# Altium PCB SwarmBotv1.PcbDoc (part 1 of 2) (continued)
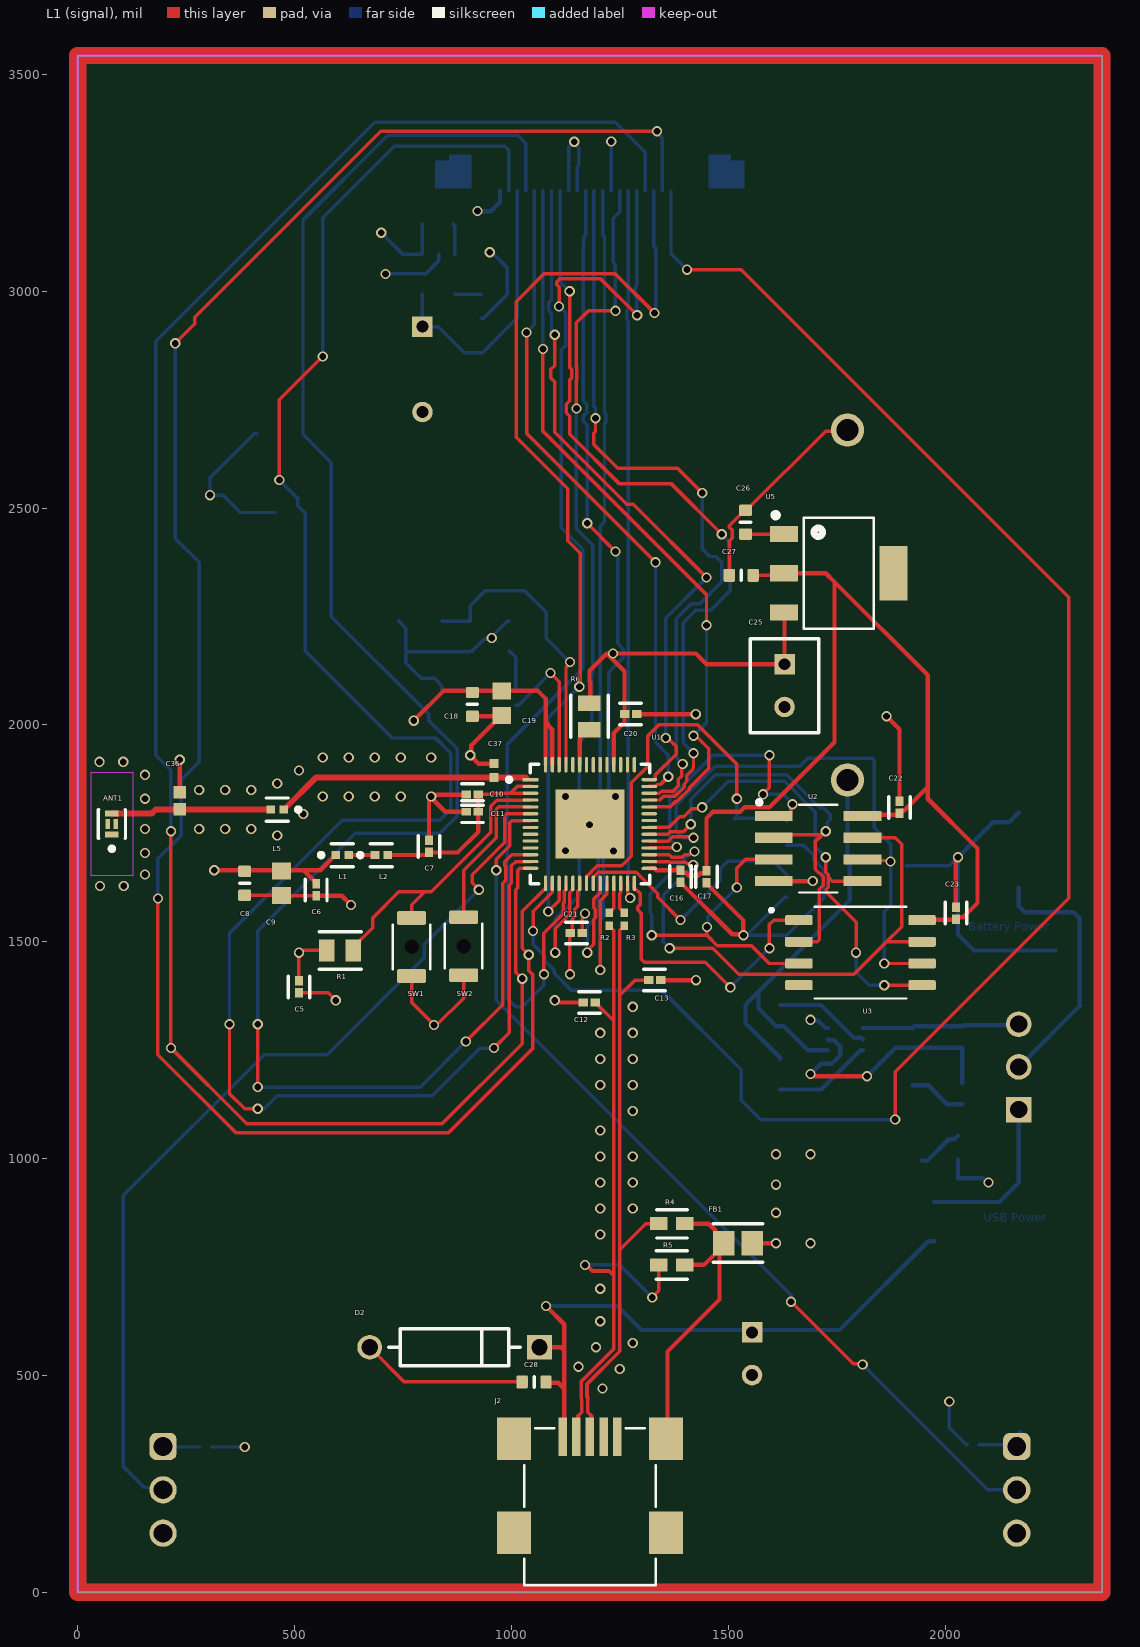
[diagram p0: L1 (signal) view]
## Footprints (in the part's own frame and the unit in brackets; to place one, negate y for a bottom-side part, rotate by r counter-clockwise, add the part's x,y. Pads: shape width x height; smd on the part's side, far side on the other; paste and mask are expansions set on the pad)
61300311121 [mm] "Pin Header, pitch 2.54 mm, THT, Vertical, single row, 3p"
  rrect50% 1.6x1.6 hole 1.1: 1(-2.54,0)
  round 1.6 hole 1.1: 2(0,0) 3(2.54,0)
  silkscreen extent -4.53,-1.35 3.96,1.35, body extent -3.81,-1.27 3.81,1.27, height 8.57
651305142821 [mm] "Mini USB 2.0 Type AB SMT Horizontal 5 Contacts"
  rect 0.5x2.25 smd: 1(-1.6,4.113) 2(-0.8,4.113) 3(0,4.113) 4(0.8,4.113) 5(1.6,4.113)
  rect 2x2.5 smd: Shell(-4.45,-1.512) Shell(-4.45,3.988) Shell(4.45,-1.512) Shell(4.45,3.988)
  silkscreen extent -3.85,-4.6 3.85,4.6, body extent -4.95,-4.6 4.95,4.8, height 4.1
AMPHENOL_F32R-1A7H1-11024 [mm]
  rect 0.3x1.1 smd: 1(-5.75,2.9) 2(-5.25,2.9) 3(-4.75,2.9) 4(-4.25,2.9) 5(-3.75,2.9) 6(-3.25,2.9) 7(-2.75,2.9) 8(-2.25,2.9) 9(-1.75,2.9) 10(-1.25,2.9) 11(-0.75,2.9) 12(-0.25,2.9) 13(0.25,2.9) 14(0.75,2.9) 15(1.25,2.9) 16(1.75,2.9) 17(2.25,2.9) 18(2.75,2.9) 19(3.25,2.9) 20(3.75,2.9) 21(4.25,2.9) 22(4.75,2.9) 23(5.25,2.9) 24(5.75,2.9)
  rect 0.5x0.5 smd paste-1 mask+0: S1(-8,1.95) S2(8,1.95)
  L1 (signal) region: -6.95,0.8 -8.25,0.8 -8.25,1.15 -9.05,1.15 -9.05,2.75 -6.95,2.75
  L1 (signal) region: 9.05,1.15 8.25,1.15 8.25,0.8 6.95,0.8 6.95,2.75 9.05,2.75
  silkscreen extent -9.65,-2.25 9.65,4.3, body extent -9.65,-2.25 9.65,3.25, height 2.1
BAT_122-3124-GR [mm]
  round 1.95 hole 1.3 mask+0.05: N(-5,0) P(15.5,0)
  silkscreen extent -15,-13.25 18.25,13.25
CAPC0402(1005)60_L [mm] "Chip Capacitor, Body 1.0x0.5mm, Height 0.6mm, IPC High Density"
  rect 0.52x0.52 smd: 1(-0.4,0) 2(0.4,0)
  body extent -0.55,-0.3 0.55,0.3, height 0.6
CAPC0402(1005)60_M [mm] "Chip Capacitor, Body 1.0x0.5mm, Height 0.6mm, IPC Low Density"
  rect 0.72x0.72 smd: 1(-0.5,0) 2(0.5,0)
  body extent -0.55,-0.3 0.55,0.3, height 0.6
CAPC0603(1608)100_L#1 [mm] "Chip Capacitor, Body 1.6x0.8mm, Height 1.0mm, IPC High Density"
  rrect25% 0.66x0.76 smd: 1(-0.7,0) 2(0.7,0)
  silkscreen extent 0,-0.3 0,0.3, body extent -0.8,-0.4 0.8,0.4, height 0.95
CAPC0603(1608)100_L#2 [mm] "Chip Capacitor, Body 1.6x0.8mm, Height 1.0mm, IPC High Density"
  rrect25% 0.66x0.76 smd: 2(0.7,0) S(-0.7,0)
  silkscreen extent 0,-0.3 0,0.3, body extent -0.8,-0.4 0.8,0.4, height 0.95
CAPC1608X90X35ML15T15 [mm] "Chip Capacitor, 2-Leads, Body 1.75x0.95mm, IPC Low Density"
  rect 1x1.1 smd: 1(-0.725,0) 2(0.725,0)
  body extent -0.87,-0.48 0.87,0.48, height 0.9
CAPC2013X140X50LL20T25 [mm] "Chip Capacitor, 2-Leads, Body 2.00x1.25mm, IPC High Density"
  rect 1.1x1.35 smd: 1(-0.7,0) 2(0.7,0)
  body extent -1.1,-0.72 1.1,0.72, height 1.4
DCK0006A_L [mm] "SOT23, 6-Leads, Body 2.15x1.4mm, Pitch 0.65mm, IPC High Density"
  rrect25% 0.65x0.4 smd: 1(-1.025,0.65) 2(-1.025,0) 3(-1.025,-0.65) 4(1.025,-0.65) 5(1.025,0) 6(1.025,0.65)
  silkscreen extent -1.15,-1.1 0.3,1.52, body extent -1.14,-1 1.14,1, height 0.94
ESWI-EG1218_V [mm] "THD, 3-Leads, Body 11.6x4mm, Pitch 2.5mm"
  rect 1.5x1.5 hole 1: 1(-2.5,0)
  round 1.5 hole 1: 2(0,0) 3(2.5,0)
  silkscreen extent -5.8,-2 5.8,2.78, body extent -5.8,-2 5.8,2, height 7.4
FP-ABM8-MFG [mm]
  rect 1.3x1.05 smd paste+0 mask+0: 1(-1.15,-0.875) 2(1.15,-0.875) 3(1.15,0.875) 4(-1.15,0.875)
  silkscreen extent -2.5,-1.88 1.7,1.88, body extent -1.6,-1.25 1.6,1.25, height 0.8
FP-ABS07-MFG [mm]
  rect 1.1x1.9 smd paste+0 mask+0: 1(-1.25,0) 2(1.25,0)
  silkscreen extent -0.33,-0.8 0.33,0.8, body extent -1.6,-0.75 1.6,0.75, height 0.9
FP-AC0603-IPC_A [mil]
  rect 41.68x39.85 smd paste+0 mask+0: 1(-34.52,0) 2(34.52,0)
  silkscreen extent -55,-36 55,36, body extent -31,-16 31,16, height 22
FP-ANT016008LCS2442MA2-0 [mm]
  rect 0.35x0.8 smd paste+0 mask+0: 1(-0.625,0) 4(0.625,0)
  rect 0.6x0.26 smd paste+0 mask+0: 2-3(0,-0.235) 5-6(0,0.235)
  silkscreen extent -1.57,-0.8 0.85,0.8, body extent -0.95,-0.55 0.95,0.55, height 0.25
FP-BLM21-0_2-t0_85-e0_5-IPC_B [mil]
  rect 49.41x57.33 smd paste+0 mask+0: 1(-32.51,0) 2(32.51,0)
  silkscreen extent -57,-44 57,44, body extent -67,-39 67,39, height 10
FP-BODY-A-MFG [mm]
  rect 1.45x1.45 hole 0.95 paste-2539.97 mask+0: 1(-4.975,0)
  round 1.45 hole 0.95 paste-2539.97 mask+0: 2(4.975,0)
  silkscreen extent -3.85,-1.08 3.85,1.08, body extent -5.8,-1.18 5.8,1.18, height 0.25
FP-CG0603-MFG [mm]
  rect 1.02x0.76 smd paste+0 mask+0: 1(-0.76,0) 2(0.76,0)
  silkscreen extent -0.9,-0.84 0.9,0.82, body extent -1.37,-0.6 1.37,0.6, height 0.25
FP-CGA6P-IPC_B [mm]
  rect 0.953x2.804 smd paste+0 mask+0: 1(-1.675,0) 2(1.675,0)
  silkscreen extent -0.9,-1.4 0.9,1.4, body extent -1.6,-1.25 1.6,1.25, height 2.81
FP-CPF0603-MFG [mm]
  rect 1x0.9 smd paste+0 mask+0: 1(-0.9,0) 2(0.9,0)
  silkscreen extent -0.82,-0.82 0.82,0.82, body extent -0.77,-0.4 0.77,0.4, height 0.55
FP-CRGP0603-IPC_C [mil]
  rect 29.85x31.97 smd paste+0 mask+0: 1(-24.68,0) 2(24.68,0)
  silkscreen extent -40,-33 40,33, body extent -31,-16 31,16, height 22
FP-CRGP0805-IPC_C [mil]
  rect 35.67x51.57 smd paste+0 mask+0: 1(-30.55,0) 2(30.55,0)
  silkscreen extent -48,-43 48,43, body extent -52,-31 52,31, height 10
FP-ESP32-S3R8-IPC_A [mm]
  rect 0.918x0.192 smd paste+0 mask+0: 1(-3.477,2.6)
  rrect100% 0.918x0.192 smd paste+0 mask+0: 2(-3.477,2.2) 3(-3.477,1.8) 4(-3.477,1.4) 5(-3.477,1) 6(-3.477,0.6) 7(-3.477,0.2) 8(-3.477,-0.2) 9(-3.477,-0.6) 10(-3.477,-1) 11(-3.477,-1.4) 12(-3.477,-1.8) 13(-3.477,-2.2) 14(-3.477,-2.6) 29(3.477,-2.6) 30(3.477,-2.2) 31(3.477,-1.8) 32(3.477,-1.4) 33(3.477,-1) 34(3.477,-0.6) 35(3.477,-0.2) 36(3.477,0.2) 37(3.477,0.6) 38(3.477,1) 39(3.477,1.4) 40(3.477,1.8) 41(3.477,2.2) 42(3.477,2.6)
  rrect100% 0.192x0.918 smd paste+0 mask+0: 15(-2.6,-3.477) 16(-2.2,-3.477) 17(-1.8,-3.477) 18(-1.4,-3.477) 19(-1,-3.477) 20(-0.6,-3.477) 21(-0.2,-3.477) 22(0.2,-3.477) 23(0.6,-3.477) 24(1,-3.477) 25(1.4,-3.477) 26(1.8,-3.477) 27(2.2,-3.477) 28(2.6,-3.477) 43(2.6,3.477) 44(2.2,3.477) 45(1.8,3.477) 46(1.4,3.477) 47(1,3.477) 48(0.6,3.477) 49(0.2,3.477) 50(-0.2,3.477) 51(-0.6,3.477) 52(-1,3.477) 53(-1.4,3.477) 54(-1.8,3.477) 55(-2.2,3.477) 56(-2.6,3.477)
  rect 4.05x4.05 smd paste-1000 mask+0: 57(0,0)
  silkscreen extent -4.86,-3.5 3.5,3.5, body extent -4.44,-4.44 4.44,4.44, height 0.25
FP-GRM21A-0_2-IPC_C [mil]
  rect 43.49x53.39 smd paste+0 mask+0: 1(-27.59,0) 2(27.59,0)
  silkscreen extent -49,-44 49,44, body extent -39,-25 39,25, height 39
FP-GRM31A-0_2-e0_3_0_95-MFG [mm]
  rect 1.05x1.6 smd paste+0 mask+0: 1(-1.275,0) 2(1.275,0)
  silkscreen extent -0.38,-0.9 0.38,0.9, body extent -1.6,-0.8 1.6,0.8, height 1
FP-GRM033-0_03-IPC_A [mil]
  rect 21.82x18.22 smd paste+0 mask+0: 1(-13.95,0) 2(13.95,0)
  silkscreen extent -25,-25 25,25, body extent -12,-6 12,6, height 13
FP-LBMF1608-0_8-0_2-MFG [mm]
  rect 0.55x1 smd paste+0 mask+0: 1(-0.625,0) 2(0.625,0)
  silkscreen extent -0.9,-0.9 0.9,0.9, body extent -0.8,-0.4 0.8,0.4, height 1
FP-LQG15HH_02-IPC_C [mil]
  rect 20.29x18.6 smd paste+0 mask+0: 1(-14.9,0) 2(14.9,0)
  silkscreen extent -54,-27 25,27, body extent -29,-15 29,15, height 10
FP-LQW15AN_00-W0_5-0_1-MFG [mm]
  rect 0.35x0.65 smd paste+0 mask+0: 1(-0.425,0) 2(0.425,0)
  silkscreen extent -0.55,-0.71 0.55,0.7, body extent -0.5,-0.25 0.5,0.25, height 0.6
FP-RCE1K1-MFG [mm]
  rect 1.2x1.2 hole 0.7: 1(-2.5,0)
  round 1.2 hole 0.7: 2(2.5,0)
  silkscreen extent -2,-1.25 2,1.25, body extent -2.75,-1.25 2.75,1.25, height 5
FP-RDE3P1-MFG [mm]
  rect 1.2x1.2 hole 0.7: 1(-1.25,0)
  round 1.2 hole 0.7: 2(1.25,0)
  silkscreen extent -2.75,-2 2.75,2, body extent -2.85,-2.1 2.85,2.1, height 0.25
FP-SOD128-MFG [mm]
  rect 1.4x2.1 smd paste-1000 mask+0: 1(-2.2,0) 2(2.2,0)
  silkscreen extent -3.67,-1.35 1.12,1.35, body extent -2.35,-1.25 2.35,1.25, height 1.1
M8_15_MFG [mm] "Recommended Land Pattern"
  rect 2.2x0.6 smd paste+0 mask+0: 1(-2.6,1.905) 2(-2.6,0.635) 3(-2.6,-0.635) 4(-2.6,-1.905) 5(2.6,-1.905) 6(2.6,-0.635) 7(2.6,0.635) 8(2.6,1.905)
  silkscreen extent -3.57,-2.56 1.12,2.83, body extent -3,-2.45 3,2.45, height 1.75
OMRON-B3U-1000P-2-B_V [mm] "SMT, 2-Leads, Body 3x2.5mm"
  rrect25% 0.8x1.7 smd: 1(-1.7,0) 2(1.7,0)
  round 0 hole 0.85 unplated: H1(0,0)
  silkscreen extent -1.3,-1.1 1.3,1.1, body extent -2,-1.25 2,1.25, height 1.6
RESC1005X40X25LL05T10 [mm] "Chip Resistor, 2-Leads, Body 1.00x0.50mm, IPC High Density"
  rect 0.5x0.45 smd: 1(-0.375,0) 2(0.375,0)
  body extent -0.53,-0.27 0.53,0.28, height 0.4
SOIC127P790X216-8N [mm]
  rrect25% 1.61x0.58 smd: 1(-3.605,1.905) 2(-3.605,0.635) 3(-3.605,-0.635) 4(-3.605,-1.905) 5(3.605,-1.905) 6(3.605,-0.635) 7(3.605,0.635) 8(3.605,1.905)
  silkscreen extent -5.31,-2.69 2.69,2.69, body extent -3.95,-2.64 3.95,2.64, height 2.16
SOT95P280X145-5N [mil]
  rect 52x22 smd: 1(-46,37) 2(-46,0) 3(-46,-37) 4(46,-37) 5(46,37)
  silkscreen extent -7,46 7,48, body extent -55,-57 55,57, height 57
SOT230P700X180-3N#1 [mm]
  rect 1.65x0.95 smd paste+0 mask+0.102: 1(-3.2,2.3) 2(-3.2,0) 3(-3.2,-2.3)
  rect 1.65x3.2 smd paste+0 mask+0.102: 4(3.2,0)
  silkscreen extent -3.8,-3.25 2.05,3.5, body extent -3.5,-3.25 3.5,3.25, height 1.8
SOT230P700X180-3N#2 [mm]
  rect 1.65x0.95 smd: 1(-3.2,2.3) 2(-3.2,0) 3(-3.2,-2.3)
  rect 1.65x3.2 smd: 4(3.2,0)
  silkscreen extent -3.8,-3.25 2.05,3.5, body extent -3.5,-3.25 3.5,3.25, height 1.8

## Part data
ANT1: library part CMP-08339-000002-1, "RF ANT 2.4GHZ CHIP SOLDER SMD", Manufacturer="TDK Corporation", Max Frequency=2484MHz, Temperature="-40°C to +85°C", Temperature Range High=+85°C, Temperature Range Low=-40°C, Automotive=No, Bandwidth=2400-2484MHz, Category=Ant, ComponentLink2Description=Datasheet, ComponentLink2URL=https://product.tdk.com/info/en/documents/data_sheet/rf_ant_ant016008lcs2442ma2_summary_en.pdf, Device Class L1="Integrated Circuits (ICs)", Device Class L2="RF Semiconductors and Devices", Device Class L3="RF Antennas", Digikey Description="RF ANT 2.4GHZ CHIP SOLDER SMD", Height=0.4mm, Impedance=50Ω, Lead Free=Yes, Manufacturer Part Number=ANT016008LCS2442MA2, Number Of Bands=1, Octopart=https://octopart.com/ant016008lcs2442ma2-tdk-48293801, Package=ANT016008LCS2442MA2, RoHS=TRUE
BT1: library part CMP-00029-00003-1, "Coin Cell Battery Holders CR2477 COIN CELL HL", Case/Package=None, Availability="In Stock", Check_prices=https://www.snapeda.com/parts/122-3124-GR/Eagle+Plastic+Devices/view-part/?ref=eda, Component Type=Standard, Design Item ID=122-3124-GR, MF="Eagle Plastic Devices", MP=122-3124-GR, Pins=2, Price=None, SnapEDA_Link=https://www.snapeda.com/parts/122-3124-GR/Eagle+Plastic+Devices/view-part/?ref=snap, Source=122-3124-GR.SchLib
C1 C2 C5 C6 C7 C10 C11 C12 C13 C16 C17 C20 C21 C22 C23: library part CMP-06035-043202-1, "Chip Multilayer Ceramic Capacitors for General Purpose, 0201, 0.10uF, X7R, 15%, 10%, 16V"
C3 C4: library part CMP-06035-038672-1, "Chip Multilayer Ceramic Capacitors for General Purpose, 0805, 12pF, C0G, 30ppm/°C, 1%, 250V"
C8 C18 C24 C26 C27 C28 C30 C31: library part CMP-001-00075-4, "Chip Capacitor, 10µF +/-20%, 10V, 0603, Thickness 1 mm", Case/Package=0603, Max Operating Temperature=85°C, Min Operating Temperature=-55°C, Tolerance=10%, Voltage Rating=10V, Mounting Technology=SMT, Pins=2
C9 C19: library part CMP-001-00004-6, "Chip Capacitor, 1 uF, +/- 10%, 16 V, 0603 (1608 Metric)", Capacitor Type=Ceramic, Case/Package=0603, Max Operating Temperature=125°C, Min Operating Temperature=-55°C, Tolerance=10%, Voltage Rating=16V, Mounting Technology=SM, Pins=2, RoHS Compliant=True
C14 C15: library part CMP-06035-037569-1, "Chip Multilayer Ceramic Capacitors for General Purpose, 1206, 12pF, C0G, 30ppm/°C, 5%, 1kV", Case Code (Imperial)=1206, Case Code (Metric)=3216, Dielectric=C0G, Max Operating Temperature=125°C, Min Operating Temperature=-55°C, Package Quantity=4000, Tolerance=5%, Voltage Rating=1kV, Capacitance=12pF, Case/Package=1206, Height=1mm, Length=0.126inch, Mount="Surface Mount", Packaging="Tape and Reel", Termination=SMD/SMT, Thickness=0.039inch, Voltage Rating (DC)=1kV, Width=1.6mm
C25 C29: library part CMP-00260-148573962-1, "RDEC72A475K3P1H03B", Capacitance=4.7µF, Case/Package=Radial, Max Operating Temperature=125°C, Min Operating Temperature=-55°C, Tolerance=10%, Voltage Rating=100V, Height=7.5mm, Lifecycle Status=Production, Material=Ceramic
C32: library part CMP-2007-04788-1, Manufacturer="AVX Interconnect / Elco", Part Number=08055F103KAT2A
C33: library part CMP-00260-148573931-1, "RCEC72A105K1K1H03B", Capacitance=1µF, Case/Package=Radial, Max Operating Temperature=125°C, Min Operating Temperature=-55°C, Tolerance=10%, Voltage Rating=100V, Height=5mm, Lifecycle Status=Production, Material=Ceramic
C34 C35: library part CMP-08246-002239-1, "Cap Ceramic 10uF 16V X7R 20% Pad SMD 1210 +125°C Automotive T/R", Case Code (Imperial)=1210, Case Code (Metric)=3225, Max Operating Temperature=125°C, Min Operating Temperature=-55°C, Tolerance=20%, Voltage Rating=16V, Capacitance=10uF, Case/Package=1210, Packaging="Tape and Reel", Termination=SMD/SMT
C36: library part CMP-1034-00102-1, "CAP 1.5pF 10V ±0.1pF 0402 (1005 Metric) Thickness 0.6mm SMD", Case-EIA=0402, Case-Metric=1005, Rated Voltage="10 V", Tolerance=Â±0.1pF, Max Thickness="0.6 mm", Technology=SMT
C37: library part CMP-1034-00170-1, "CAP 2.2pF 25V ±0.1pF 0402 (1005 Metric) Thickness 0.6mm SMD", Case-EIA=0402, Case-Metric=1005, Rated Voltage="25 V", Tolerance=Â±0.1pF, Max Thickness="0.6 mm", Technology=SMT
D1: library part CMP-14436-000013-1, "TVS DIODE 3.3V 8V CFP5", RoHS Compliant=Yes
D2: library part CMP-00252-101806678-1, "TVS305E3 Uni-Directional Tvs A-Body Rohs Compliant: Yes", Breakdown Voltage=6V, Case/Package=Axial, Clamping Voltage=8.7V, Max Operating Temperature=175°C, Min Operating Temperature=-65°C, Peak Pulse Current=17A, Peak Pulse Power=150W, Reverse Standoff Voltage=5V, Direction=Unidirectional, Height=2.16mm, NexarPartId=101806678, Number of Channels=1
FB1: library part CMP-0686-00610-3, "Chip Ferrite Bead, 0805, 220Ω @ 100MHz, 0.045Ω, 25%, 2A", Case Code (Imperial)=0805, Case Code (Metric)=2012, Current=2A, DC Resistance (DCR)=45mR, Frequency=100MHz, Max Operating Temperature=125°C, Min Operating Temperature=-55°C, Package Quantity=1, Tolerance=25%, Case/Package=0805, Contact Plating=Tin, Core Material=Ferrite, Current Rating=2A, DC Current=2A, DC Resistance-Max=45mR, Depth=1.25mm, Height=0.85mm, Impedance=220R, Lead Free="Lead Free", Length=2mm, Material=Ferrite, Max Current Rating=2A, Max DC Current=2A, Military Standard=Not, Number of Circuits=1, Number of Lines=1, Number of Pins=2, Packaging="Tape and Reel", Radiation Hardening=No, REACH SVHC="No SVHC", RoHS Compliant=Yes, Series=BLM21P, Shielding=Unshielded, Termination=SMD/SMT, Test Frequency=100MHz, Width=1.25mm
J1: library part CMP-002-00071-1, "Flex Connector, 0.50mm Pitch, Height 2.00mm, Right angle, Slider type, ZIF, Bottom contact, 24 position , Without MYLAR", Case/Package=None, Check_prices=https://www.snapeda.com/parts/F32R-1A7H1-11024/Amphenol/view-part/?ref=eda, Component Type=Standard, Design Item ID=F32R-1A7H1-11024, MF="Amphenol ICC / Aorora", MP=F32R-1A7H1-11024, Pins=24, SnapEDA_Link=https://www.snapeda.com/parts/F32R-1A7H1-11024/Amphenol/view-part/?ref=snap, Source=F32R-1A7H1-11024.SchLib
J2: library part CMP-1502-03247-2, Contact Resistance=20mΩ, Current Rating=1A, Insulation Resistance=1GΩ, Max Operating Temperature=105°C, Min Operating Temperature=-40°C, Operating Supply Voltage=30V, Connector Type=USB, Contact Material=Copper, Contact Plating=Gold, Features=Shielded, Gender=Receptacle, Lead Free="Lead Free", Mount="Horizontal, Surface Mount", NexarPartId=19991175, Number of Contacts=5, Number of Pins=5, Orientation=Horizontal, Packaging="Tape and Reel", REACH SVHC=Unknown, RoHS=Compliant, Termination=SMD/SMT, USB Standard="USB 2.0"
L1 L2: library part CMP-06042-000103-1, "Multilayer type RF Inductor 1nH ±0.3nH 0.07Ω 1000mA 0402", Case Code (Imperial)=0402, Case Code (Metric)=1005, Current Rating=300mA, DC Resistance (DCR)=100mR, Max Operating Temperature=125°C, Min Operating Temperature=-55°C, Package Quantity=1, Self Resonant Frequency=6GHz, Test Frequency=100MHz, Case/Package=0402, Core Material=Air, DC Current=300mA, Depth=0.55mm, Height=0.02inch, Height - Seated (Max)=0.022inch, Inductance=1nH, Lead Free="Lead Free", Length=0.039inch, Max DC Current=300mA, Military Standard=Not, Mount="Surface Mount", Number of Pins=2, Packaging="Tape and Reel", Q Factor=8, Radiation Hardening=No, REACH SVHC="No SVHC", Shielding=Unshielded, Termination=SMD/SMT, Width=0.5mm
L3: library part CMP-06042-007532-1, "Wire Wound RF Inductor 24nH ±2% 280mA 0.52Ω 0402 (1005)", Case Code (Imperial)=0402, Case Code (Metric)=1005, Current=270mA, Current Rating=280mA, DC Resistance (DCR)=520mR, Inductance Tolerance=2%, Max Operating Temperature=125°C, Min Operating Temperature=-55°C, Package Quantity=10000, Self Resonant Frequency=3.5GHz, Test Frequency=100MHz, Case/Package=0402, Core Material=Air, DC Current=280mA, Depth=0.6mm, Height=0.5mm, Inductance=24nH, Lead Free="Lead Free", Length=1mm, Max DC Current=280mA, Military Standard=Not, Mount="Surface Mount", Number of Pins=2, Packaging="Tape and Reel", Q Factor=25, REACH SVHC="No SVHC", Shielding=Unshielded, Termination=SMD/SMT, Tolerance=2%, Weight=2.8E-05oz, Width=0.02inch
L4: library part CMP-14484-001029-1, "SMD Inductors 4.7uH ±20% 0.11A 0.312Ω 0603", Case Code (Imperial)=0603, Case Code (Metric)=1608, Current Rating=110mA, DC Resistance (DCR)=240mR, Inductance Tolerance=20%, Max Operating Temperature=105°C, Min Operating Temperature=-40°C, Package Quantity=3000, Resistor Type=Wirewound, Self Resonant Frequency=45MHz, Test Frequency=7.96MHz, Case/Package=0603, Core Material=Ferrite, Depth=0.9mm, Halogen Free="Halogen Free", Height=0.35mm, Height - Seated (Max)=0.039inch, Inductance=4.7uH, Lead Free=Exempt, Lead Pitch=0.7mm, Length=0.063inch, Max DC Current=110mA, Mount="Surface Mount", Packaging="Tape and Reel", Radiation Hardening=No, REACH SVHC="No SVHC", RoHS Compliant=Yes, Series=LB, Shielding=Unshielded, Termination=SMD/SMT, Tolerance=20%, Weight=7.1E-05oz, Width=0.8mm
L5: library part CMP-06042-005877-1, "Multilayer type RF Inductor 1.8nH ±0.3nH 0.08Ω 950mA 0402", Case Code (Imperial)=0402, Case Code (Metric)=1005, Current Rating=300mA, DC Resistance (DCR)=100mR, Max Operating Temperature=125°C, Min Operating Temperature=-55°C, Package Quantity=1, Self Resonant Frequency=6GHz, Test Frequency=100MHz, Case/Package=0402, Core Material=Air, DC Current=300mA, Depth=0.55mm, Height=0.5mm, Height - Seated (Max)=0.022inch, Inductance=1.8nH, Lead Free="Lead Free", Length=0.039inch, Max DC Current=300mA, Military Standard=Not, Mount="Surface Mount", Packaging="Tape and Reel", Q Factor=8, Radiation Hardening=No, Shielding=Unshielded, Termination=SMD/SMT, Width=0.02inch
P1 P2: library part CMP-1502-01062-3, Color=Black, Contact Resistance=20mΩ, Current Rating=3A, Max Operating Temperature=105°C, Min Operating Temperature=-40°C, Operating Supply Voltage=250V, Connector Type="Male Pin", Contact Material=Copper, Contact Mating Length=5.9944mm, Contact Plating=Gold, Gender=Male, Height=8.94mm, Lead Free="Lead Free", Lead Pitch=2.54mm, Mount="Through Hole", NexarPartId=32855521, Number of Contacts=3, Number of Pins=3, Number of Positions=3, Number of Rows=1, Orientation=Vertical, Packaging=Bulk, Pitch=2.54mm, REACH SVHC=Unknown, RoHS=Compliant, Termination=Solder, Voltage Rating=250V
R1 R6: library part CMP-03211-006861-1, "CRGP 0805 10K 1%", Ambient Temperature Range High=+70°C, Manufacturer=TE, Manufacturer Part Number=CRGP0805F10K, Package=CRGP0805, Power Rating=0.33W, Resistance=10KΩ, Temperature="-55°C to +155°C", Temperature Coefficient=±100ppm/°C, Temperature Range High=+155°C, Temperature Range Low=-55°C, Tolerance=0.01, Voltage Rating=150V, Automotive=No, Category=Res, ComponentLink2Description=Datasheet, ComponentLink2URL=https://www.mouser.com/datasheet/2/418/NG_DS_9-1773463-9_A-1358566.pdf, Composition="Thick Film", Device Class L1="Passive Components", Device Class L2=Resistors, Device Class L3="Chip SMD Resistors", Digikey Description="CRGP 0805 10K 1%", Height=0.65mm, Ipc Land Pattern Name=RESC200125X55, Lead Free=Yes, Octopart=https://octopart.com/crgp0805f10k-te+connectivity-91018782, RoHS=TRUE, Series=CRGP
R2 R3: library part CMP-2002-08075-1, Manufacturer=Yageo, Part Number=RC0402JR-1322RL
R4 R5: library part CMP-07402-000005-1, "VARISTOR 0603", Capacitance=0.5pF, Clamping Voltage=25V, Manufacturer="Bourns Inc.", Package=CG0603, Temperature="-40°C to +85°C", Temperature Range High=+85°C, Temperature Range Low=-40°C, Varistor Voltage=5V, Automotive=No, Category=Res, ComponentLink2Description=Datasheet, ComponentLink2URL=https://www.bourns.com/docs/Product-Datasheets/MLC.pdf, Device Class L1="Circuit Protection", Device Class L2=Varistors, Device Class L3=unset, Digikey Description="VARISTOR 0603", Esd Protec Present=true, Height=0.55mm, Ipc Land Pattern Name=RESC16080X45, Lead Free=Yes, Manufacturer Part Number=CG0603MLC-05LE, Mouser Description="ESD Suppressors Chip Guard 0603 5 Volts", Octopart=https://octopart.com/cg0603mlc-05le-bourns-7576245, RoHS=TRUE, Voltage Rating Dc=5V
R7 R8: library part CMP-03211-003506-1, "RES SMD 10KΩ 0.5% 1/16W 0603", Manufacturer="TE Connectivity", Manufacturer Part Number=CPF0603D10KE, Package=CPF0603, Power Rating=0.063W, Resistance=10KΩ, Temperature="-55°C to +155°C", Temperature Coefficient=25ppm/°C, Temperature Range High=+155°C, Temperature Range Low=-55°C, Tolerance=0.5%, Voltage Rating=50V, Automotive=No, Category=Res, ComponentLink2Description=Datasheet, ComponentLink2URL=https://www.te.com/commerce/DocumentDelivery/DDEController?Action=showdoc&DocId=Data+Sheet%7F1773200%7FM%7Fpdf%7FEnglish%7FENG_DS_1773200_M.pdf%7F3-1676481-2, Composition="Thin Film", Device Class L1="Passive Components", Device Class L2=Resistors, Device Class L3="Chip SMD Resistors", Height=0.55mm, Ipc Land Pattern Name=RESC15580X45, Lead Free=Yes, Octopart=https://octopart.com/cpf0603d10ke-te+connectivity-22737789, octopart_url=https://octopart.com/cpf0603d10ke-te+connectivity-22737789, Packaging="5k Reel", RoHS=TRUE, Series=CPF
R9: library part CMP-03211-007120-1, "CRGP0603 180KΩ 0.25W ±100ppm/°C 1% 50V", Ambient Temperature Range High=+70°C, Manufacturer=TE, Manufacturer Part Number=CRGP0603F180K, Package=CRGP0603, Power Rating=0.25W, Resistance=180KΩ, Temperature="-55°C to +155°C", Temperature Coefficient=±100ppm/°C, Temperature Range High=+155°C, Temperature Range Low=-55°C, Tolerance=0.01, Voltage Rating=50V, Automotive=No, Category=Res, ComponentLink2Description=Datasheet, ComponentLink2URL=https://www.te.com/commerce/DocumentDelivery/DDEController?Action=srchrtrv&DocNm=9-1773463-9&DocType=DS&DocLang=English, Composition="Thick Film", Device Class L1="Passive Components", Device Class L2=Resistors, Device Class L3="Chip SMD Resistors", Height=0.55mm, Ipc Land Pattern Name=RESC16080X45, Lead Free=Yes, Octopart=https://octopart.com/crgp0603f180k-te+connectivity-91018731, RoHS=TRUE, Series=CRGP
R10: library part CMP-03211-004384-3, "RES 1M OHM 1% 1/4W 0603", Case Code (Imperial)=0603, Case Code (Metric)=1608, Max Operating Temperature=155°C, Max Power Dissipation=250mW, Min Operating Temperature=-55°C, Resistance=1MR, Resistor Type="Thick Film", Temperature Coefficient=100ppm/°C, Tolerance=1%, Case/Package=0603, Number of Terminations=2, Packaging="Cut Tape", RoHS Compliant=Yes
R11 R12: library part CMP-03412-040683-1, "RES 10kΩ 5.00% 0.2W 0603"
SW1 SW2: library part CMP-011-00011-3, "Ultra-small Surface-mounting Tactile Switches with High Contact Reliability, SPST-NO, -25 to 70 degC, 2-Pin SMD, RoHS, Tape and Reel", Current Rating=50mA, Voltage Rating=12V, Pins=2, RoHS Compliant=Details
SW3: library part CMP-011-00006-2, "Slide Switch, SPDT, 500 V, -20 to 70 degC, 3-Pin THD, RoHS, Bulk", Contact Current Rating=200mA, Manufacturer=E-Switch, Max Operating Temperature=70°C, Min Operating Temperature=-20°C, Operating Force=250gf, Package Description="3-Pin Through Hole Device, Body 11.6 x 4 mm, Pitch 2.5 mm", Package Quantity=1000, Voltage Rating (AC)=30V, Case/Package=EG1218, Contact Finish=Silver, Contact Material=Copper, Contact Plating=Silver, Current Rating=200mA, Datasheet URL=https://www.e-switch.com/system/asset/product_line/data_sheet/119/EG.pdf, Datasheet Version=Oct-15, Manufacturer URL=http://www.e-switch.ch/en/, Mounting Technology=TH, Package Reference=EG1218, Packaging=Bulk, Pins=3, RoHS Compliant=True, Throw Configuration=SPDT, Voltage Rating (DC)=30V
U1: library part CMP-10700-118292493-1, "ESP32-S3R8 RF System on a Chip - SoC SMD IC, Dual-Core MCU, Wi-Fi 2.4G BLE 5.0 Combo", NexarPartId=118292493
U2: library part CMP-00572-125972999-1, "32Mbit, 1.65 V to 3.6 V SPI Serial Flash Memory with Multi-I/O Support", Manufacturer Lifecycle Status=ACTIVE, Package Quantity=4000, ComponentLink1Description="Manufacturer's Website", ComponentLink1URL=http://www.renesas.com, ComponentLink2Description="Datasheet URL", ComponentLink2URL=https://octopart.com/cad-content/api/get-model-datasheet/15189/125972999, ComponentLink3Description="Manufacturer's Package Drawing", ComponentLink3URL=https://www.renesas.com/en/document/psc/m815-8-lead-narrow-body-small-outline-plastic-package, Export Control Classification Number (ECCN) Code=3A991, Harmonized Tariff Schedule (HTS) Code=8542.32.00.51, HelpURL=https://octopart.com/cad-content/api/get-model-datasheet/15189/125972999, Lifecycle Status=Production, MSL=1, Packaging="Tape & Reel", Part Family=AT25FF321A, Pitch=1.27mm, RoHS=Compliant
U3: "FLASH - NOR Memory IC 64Mbit SPI - Quad I/O 133 MHz 8-SOIC", Manufacturer_Name=Winbond, C="Copyright (C) 2018 Accelerated Designs. All rights reserved", Copyright="Copyright (C) 2025 Ultra Librarian. All rights reserved.", Manufacturer_Part_Number=W25Q64JVSSIQ
U5: library part CMP-031-00006-1, "Linear Voltage Regulator IC Positive Fixed 1 Output 800mA SOT-223-3", Case/Package="SOT-223 MaxLinear", Check_prices=https://www.snapeda.com/parts/SPX1117M3-L-1-8/TR/MaxLinear/view-part/?ref=eda, Component Type=Standard, Design Item ID=SPX1117M3-L-1-8, MF="MaxLinear, Inc.", MP=SPX1117M3-L-1-8/TR, Pins=3, SnapEDA_Link=https://www.snapeda.com/parts/SPX1117M3-L-1-8/TR/MaxLinear/view-part/?ref=snap, Source=SPX1117M3-L-1-8.SchLib
U6: library part CMP-031-00007-1, "Linear Voltage Regulator IC Positive Fixed 1 Output 800mA SOT-223-3", Case/Package="SOT-223 MaxLinear", Check_prices=https://www.snapeda.com/parts/SPX1117M3-L-3-3/TR/MaxLinear/view-part/?ref=eda, Component Type=Standard, Design Item ID=SPX1117M3-L-3-3/TR, MF=MaxLinear, MP=SPX1117M3-L-3-3/TR, Pins=3, SnapEDA_Link=https://www.snapeda.com/parts/SPX1117M3-L-3-3/TR/MaxLinear/view-part/?ref=snap, Source=SPX1117M3-L-3-3_TR.SchLib
U7: library part CMP-031-00008-1, "Linear Voltage Regulator IC Positive Fixed 1 Output 500mA SOT-23-5", Case/Package="SOT-23-5 Exar", Check_prices=https://www.snapeda.com/parts/SPX3819M5-L-3-0/MaxLinear/view-part/?ref=eda, Component Type=Standard, Design Item ID=SPX3819M5-L-3-0, MF="MaxLinear, Inc.", MP=SPX3819M5-L-3-0, Pins=5, SnapEDA_Link=https://www.snapeda.com/parts/SPX3819M5-L-3-0/MaxLinear/view-part/?ref=snap, Source=SPX3819M5-L-3-0.SchLib
U8: library part CMP-0347-00054-2, "Boost Voltage Converter with 0.7 to 5.5 V Input and 1.8 to 5.5 V Output, -40 to 85 degC, 6-Pin SC70 (DCK), Green (RoHS & no Sb/Br)", Manufacturer="Texas Instruments", Switching Frequency(Max)(kHz)=2000, Code_JEDEC=MO-203-AB, ComponentLink1Description=Datasheet, ComponentLink1URL=http://www.ti.com/general/docs/lit/getliterature.tsp?genericPartNumber=TPS61220&fileType=pdf, ComponentLink2Description="Package Specification", ComponentLink2URL=http://www.ti.com/litv/pdf/mpds114c, DatasheetVersion=SLVS776, Eco-Plan="Green (RoHS & no Sb/Br)", Mounting Technology="Surface Mount", PackageDescription="6-Pin Plastic Small-Outline Package, 2 x 1.3 mm Body, 0.65 mm Pitch, 2.1 mm Lead Span", PackageReference=DCK0006A, PackageVersion="revG, Jan-2007", PartNumber=TPS61220DCKR, Regulated Outputs(#)=1, SubFamily="Step-Up Regulator", Topology=Boost, Vin(Max)(V)=5.5, Vin(Min)(V)=0.7, Vout(Max)(V)=5.5, Vout(Min)(V)=1.8
Y1: library part CMP-27762-013661-2, "Crystal 32.768kHz ±20ppm (Tol) 9pF FUND 70kΩ 2-Pin CSMD T/R", Case/Package=CSMD, ESR (Equivalent Series Resistance)=70kR, Frequency=32.768kHz, Frequency Stability=20ppm, Insulation Resistance=500MR, Load Capacitance=9pF, Max Operating Temperature=85°C, Min Operating Temperature=-40°C, Operating Frequency="32.768 kHz", Package Quantity=3000, Depth=1.5mm, Frequency Tolerance=20ppm, Height=0.9mm, Lead Free="Lead Free", Length=3.2mm, Mount="Surface Mount", Number of Pins=2, Packaging="Tape and Reel", Radiation Hardening=No, REACH SVHC="No SVHC", RoHS Compliant=Yes, Series=ABS07, Series Resistance=70kR, Termination=SMD/SMT, Tolerance=20ppm, Width=1.5mm
Y2: library part CMP-27762-008947-1, "Crystal 40MHz ±10ppm 10pF SMD-4 3.2mm x 2.5mm", Case/Package=SMD/SMT, ESR (Equivalent Series Resistance)=35R, Frequency=40MHz, Frequency Stability=10ppm, Load Capacitance=10pF, Max Operating Temperature=60°C, Min Operating Temperature=-10°C, Operating Frequency="40 MHz", Package Quantity=1000, Resistor Type=Ceramic, Frequency Tolerance=10ppm, Height=0.031inch, Lead Free="Lead Free", Length=0.126inch, Mount="Surface Mount", Number of Pins=4, Packaging="Tape and Reel", Radiation Hardening=No, Series=ABM8, Termination=SMD/SMT, Tolerance=10ppm, Width=0.098inch

## Via types
v1: diameter 23.62, hole 15.75, L1 (signal) to L4 (signal), 175 vias

## Nets (pads, with @x,y where several pads share a name; then routed paths per layer and width w, separated by ;. In a path a pad name is that pad's centre, name@x,y a point inside that pad or via, vN(x,y) a via of type N, cw(c..) or ccw(c..) an arc to the next point about the centre after c; other vN are vias at no path point)
1.8V: C16.1 C17.1 C22.1 C23.1 C27.1 U1.29 U2.8 U3.8 U5.2 | length 2401.3
  L1 (signal) w8: C27.1@1557.56,2345 1624.02,2345 U5.2@1629.02,2350
  L1 (signal) w10: U1.29@1318,1669.29 1329.86,1669.29 1334.15,1665 C16.1@1390,1665 1390,1663.2 1394.11,1659.09 1402.1,1659.09 1409.06,1652.13 1429.61,1652.13 1435.52,1658.04 1445.89,1658.04 1450,1662.15 1450,1785 1465,1800 1527.5,1800 1537.81,1810.31 1595.31,1810.31 1745,1960 1745,2330 ; U5.2@1629.02,2350 1725,2350 1745,2330 ; U2.8@1809.72,1790 1812.75,1793.03 1891.97,1793.03 C22.1@1895,1796.05 ; C22.1@1895,1797.85 1899.11,1801.96 1905.05,1801.96 1960,1856.91 ; U3.8@1946.93,1550 1947.98,1551.05 2023.95,1551.05 C23.1@2025,1552.1 2025,1552.46 2029.11,1556.57 2041.76,1556.57 2075,1589.81 2075,1715 1960,1830 1960,1856.91 ; 1745,2330 1960,2115 1960,1856.91
3.0V: C33.1 J1.4 U7.5 | length 645.1
  L4 (signal) w8: U7.5@795,2993 C33.1@795,2918.43 831.57,2918.43 891.69,2858.31 933.31,2858.31 1013.78,2938.78 J1.4@1013.78,3232.28